# KiCad board Soldered Inkplate 4 TEMPERA with glass panel_panel.kicad_pcb (continued)
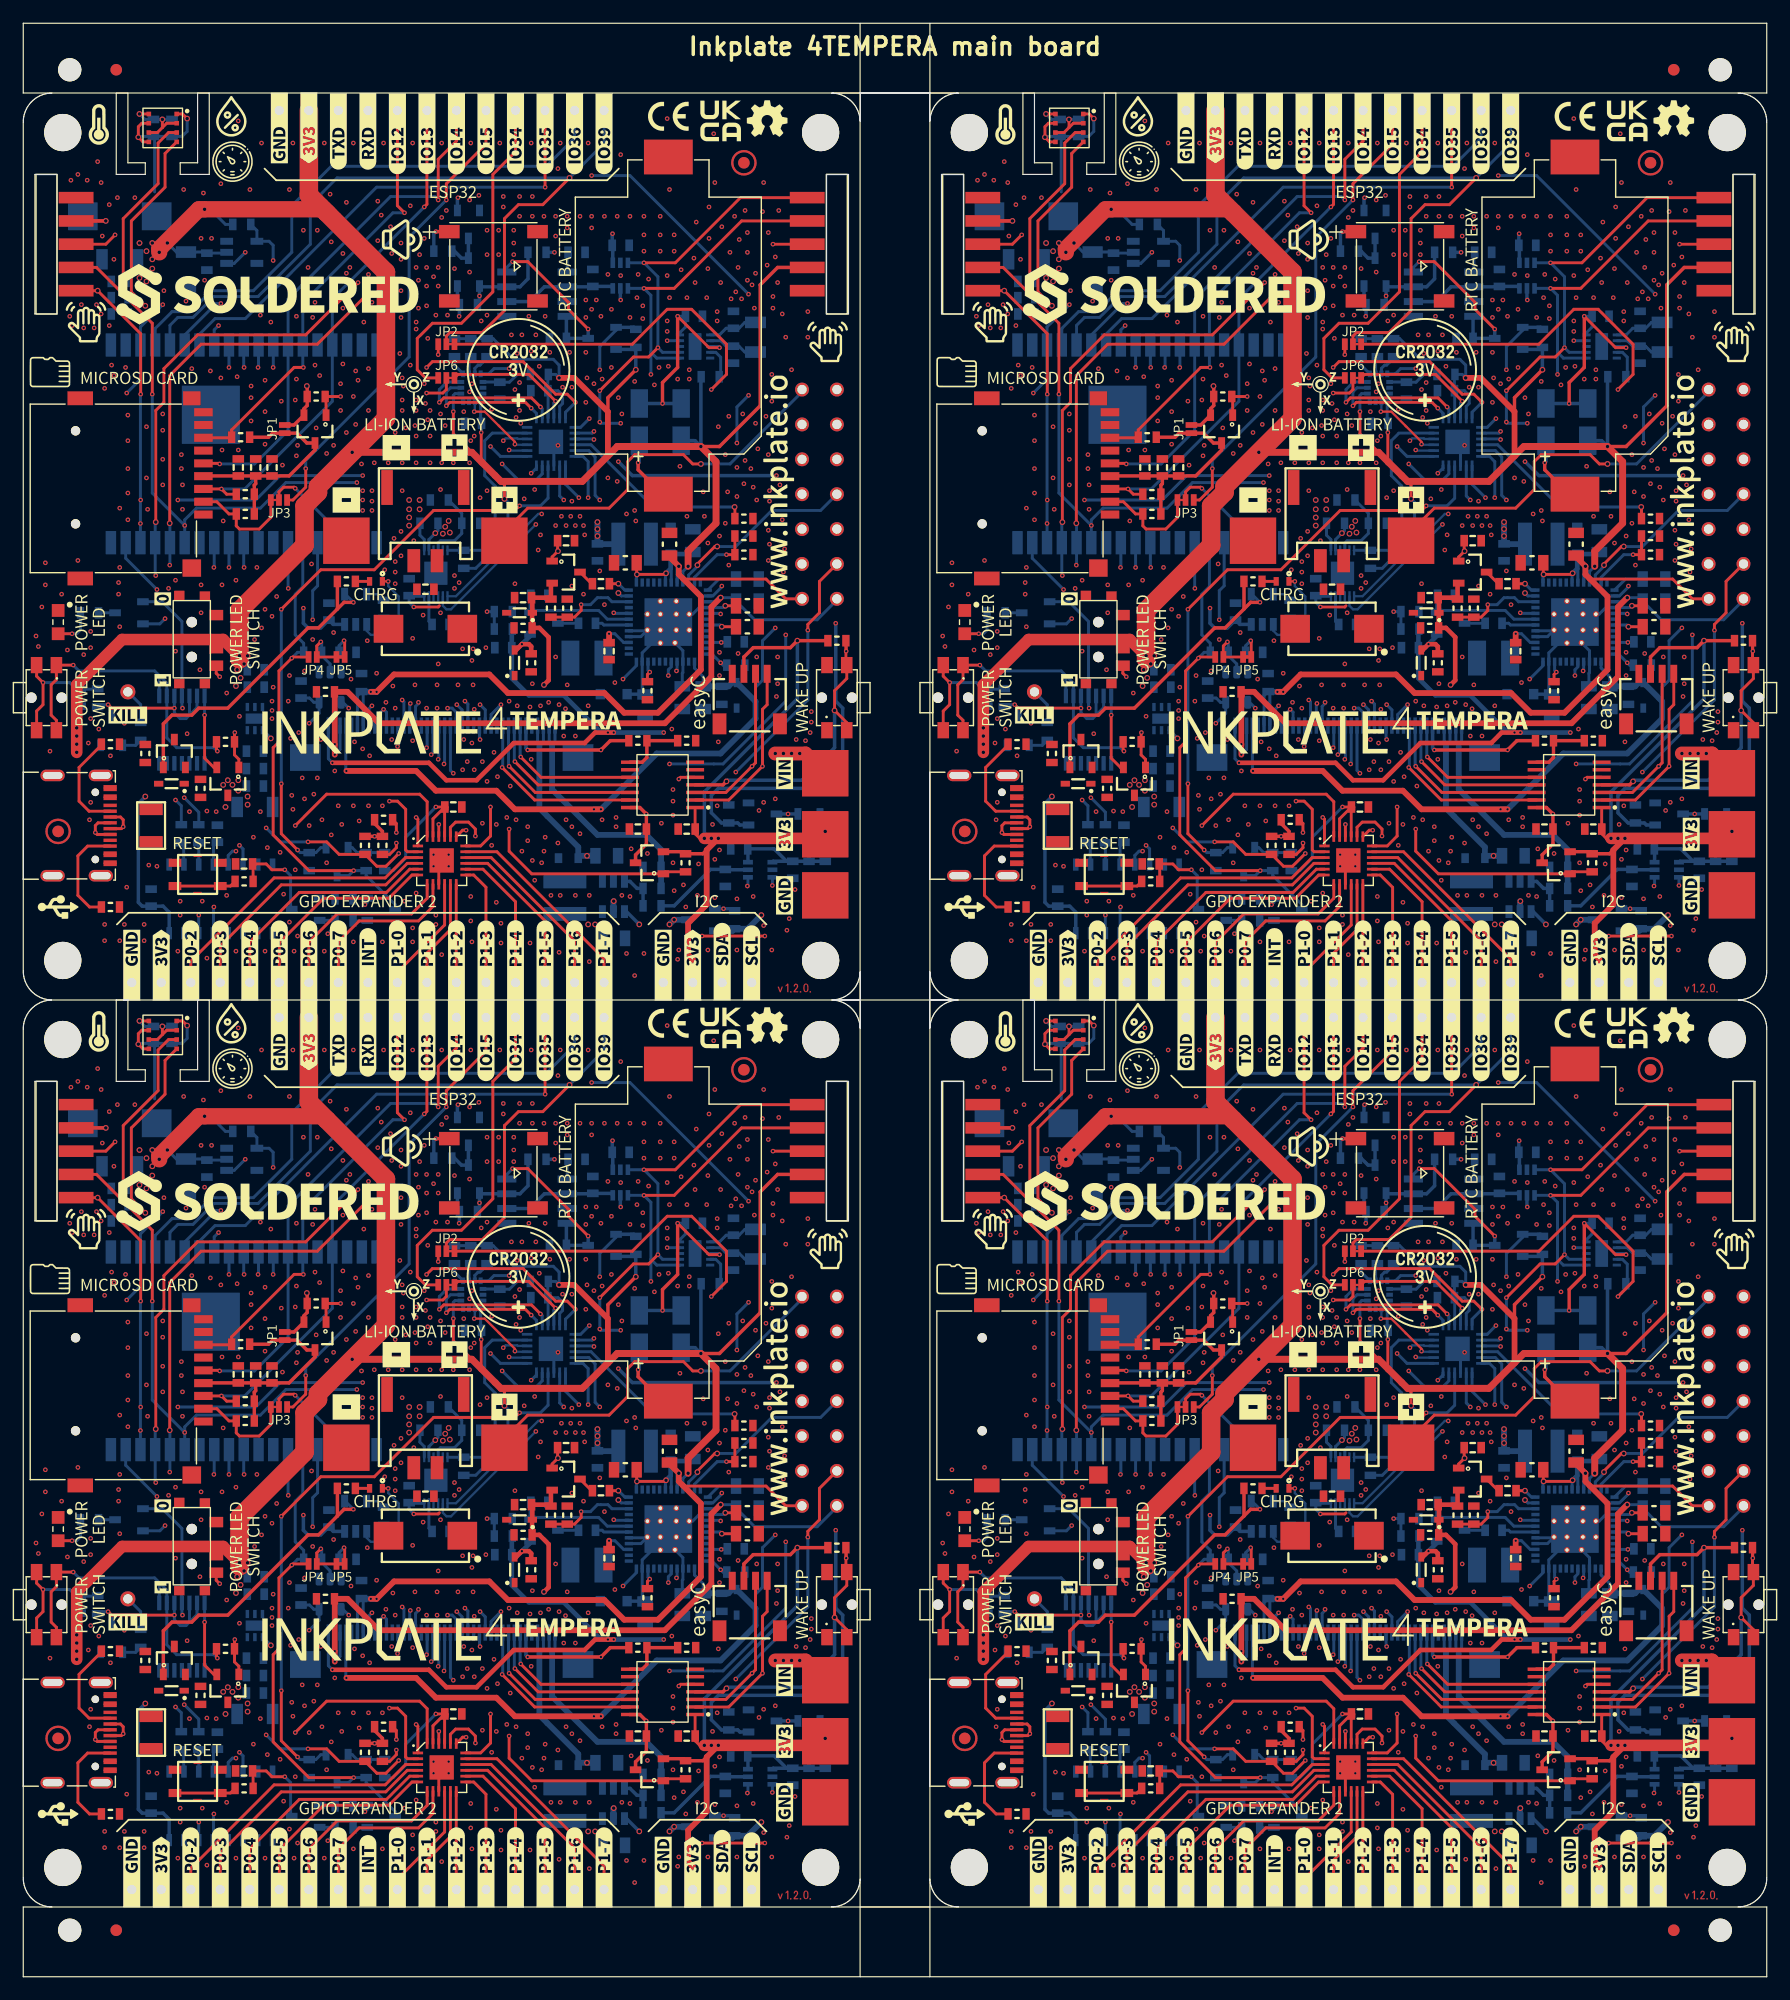
[diagram p0: board, top side]
## Placement (name value [footprint] x y rotation side) (continued)
G***#33  LOGO  [Symbol-Front-USB]  3 92 270 top
G***#34  LOGO  [Symbol-Front-Gesture]  5.4 142.3 0 top
G***#35  LOGO  [Symbol-Front-Temperature]  84.5 81.3 0 top
G***#36  LOGO  [Logo-Front-easyC-NewFont]  136.2 109.6 90 top
G***#37  LOGO  [Symbol-Front-SDcard]  80.3 138 270 top
G***#38  LOGO  [Symbol-Front-Temperature]  84.5 159.3 0 top
G***#39  LOGO  [Symbol-Front-Humidity]  95.9 160 0 top
G***#40  LOGO  [Symbol-Front-Gesture]  5.4 64.3 0 top
G***#41  LOGO  [Symbol-Front-Speaker]  32.6 71.4 0 top
G***#42  LOGO  [Symbol-Front-Gesture]  83.4 142.3 0 top
G***#43  LOGO  [Logo-Back-Soldered-6mm]  55.5 158.3 0 top
G***#44  LOGO  [Symbol-Front-Gesture]  83.4 64.3 0 top
H1  -  [HOLE_3.2mm]  3.4 9.4 0 top
H1#2  -  [HOLE_3.2mm]  81.4 9.4 0 top
H1#3  -  [HOLE_3.2mm]  3.4 87.4 0 top
H1#4  -  [HOLE_3.2mm]  81.4 87.4 0 top
H2  -  [HOLE_3.2mm]  81.4 158.6 0 top
H2#2  -  [HOLE_3.2mm]  3.4 80.6 0 top
H2#3  -  [HOLE_3.2mm]  81.4 80.6 0 top
H2#4  -  [HOLE_3.2mm]  3.4 158.6 0 top
H3  -  [HOLE_3.2mm]  68.6 158.6 0 top
H3#2  -  [HOLE_3.2mm]  68.6 80.6 0 top
H3#3  -  [HOLE_3.2mm]  146.6 80.6 0 top
H3#4  -  [HOLE_3.2mm]  146.6 158.6 0 top
H4  -  [HOLE_3.2mm]  68.6 87.4 0 top
H4#2  -  [HOLE_3.2mm]  68.6 9.4 0 top
H4#3  -  [HOLE_3.2mm]  146.6 87.4 0 top
H4#4  -  [HOLE_3.2mm]  146.6 9.4 0 top
JP1  -  [SMD_JUMPER]  22.5 133.1 90 top
JP1#2  -  [SMD_JUMPER]  100.5 55.1 90 top
JP1#3  -  [SMD_JUMPER]  22.5 55.1 90 top
JP1#4  -  [SMD_JUMPER]  100.5 133.1 90 top
JP2  -  [SMD_JUMPER_3_PAD_CONNECTED_RIGHT_TRACE]  36.4 62.4 0 top
JP2#2  -  [SMD_JUMPER_3_PAD_CONNECTED_RIGHT_TRACE]  114.4 62.4 0 top
JP2#3  -  [SMD_JUMPER_3_PAD_CONNECTED_RIGHT_TRACE]  114.4 140.4 0 top
JP2#4  -  [SMD_JUMPER_3_PAD_CONNECTED_RIGHT_TRACE]  36.4 140.4 0 top
JP3  -  [SMD_JUMPER_3_PAD_CONNECTED_LEFT_TRACE]  100 127 0 top
JP3#2  -  [SMD_JUMPER_3_PAD_CONNECTED_LEFT_TRACE]  22 49 0 top
JP3#3  -  [SMD_JUMPER_3_PAD_CONNECTED_LEFT_TRACE]  22 127 0 top
JP3#4  -  [SMD_JUMPER_3_PAD_CONNECTED_LEFT_TRACE]  100 49 0 top
JP4  -  [SMD_JUMPER]  24.9 113.5 0 top
JP4#2  -  [SMD_JUMPER]  102.9 113.5 0 top
JP4#3  -  [SMD_JUMPER]  24.9 35.5 0 top
JP4#4  -  [SMD_JUMPER]  102.9 35.5 0 top
JP5  -  [SMD-JUMPER-CONNECTED_TRACE_SOLDERMASK]  27.3 35.5 0 top
JP5#2  -  [SMD-JUMPER-CONNECTED_TRACE_SOLDERMASK]  27.3 113.5 0 top
JP5#3  -  [SMD-JUMPER-CONNECTED_TRACE_SOLDERMASK]  105.3 35.5 0 top
JP5#4  -  [SMD-JUMPER-CONNECTED_TRACE_SOLDERMASK]  105.3 113.5 0 top
JP6  -  [SMD_JUMPER_3_PAD_CONNECTED_LEFT_TRACE]  36.4 59.5 180 top
JP6#2  -  [SMD_JUMPER_3_PAD_CONNECTED_LEFT_TRACE]  114.4 137.5 180 top
JP6#3  -  [SMD_JUMPER_3_PAD_CONNECTED_LEFT_TRACE]  36.4 137.5 180 top
JP6#4  -  [SMD_JUMPER_3_PAD_CONNECTED_LEFT_TRACE]  114.4 59.5 180 top
K1  Inkplate_TP  [INKPLATE TEST HEADER]  146.5 49.5 180 top
K1#2  Inkplate_TP  [INKPLATE TEST HEADER]  68.5 127.5 180 top
K1#3  Inkplate_TP  [INKPLATE TEST HEADER]  146.5 127.5 180 top
K1#4  Inkplate_TP  [INKPLATE TEST HEADER]  68.5 49.5 180 top
K2  -  [U262-161N-4BVC11]  3 21 90 top
K2#2  -  [U262-161N-4BVC11]  3 99 90 top
K2#3  -  [U262-161N-4BVC11]  81 99 90 top
K2#4  -  [U262-161N-4BVC11]  81 21 90 top
K3  -  [JST-2pin-SMD]  34.6 46.92 0 top
K3#2  -  [JST-2pin-SMD]  34.6 124.93 0 top
K3#3  -  [JST-2pin-SMD]  112.6 124.93 0 top
K3#4  -  [JST-2pin-SMD]  112.6 46.92 0 top
K4  easyC-SMD  [easyC-connector]  140.5 31.9 180 top
K4#2  easyC-SMD  [easyC-connector]  62.5 31.9 180 top
K4#3  easyC-SMD  [easyC-connector]  62.5 109.9 180 top
K4#4  easyC-SMD  [easyC-connector]  140.5 109.9 180 top
K5  -  [HEADER_MALE_1X1_Inkplate]  57.59 85.5 90 top
K5#2  -  [HEADER_MALE_1X1_Inkplate]  135.59 7.5 90 top
K5#3  -  [HEADER_MALE_1X1_Inkplate]  57.59 7.5 90 top
K5#4  -  [HEADER_MALE_1X1_Inkplate]  135.59 85.5 90 top
K6  -  [HEADER_MALE_1X1_Inkplate]  62.67 85.5 90 top
K6#2  -  [HEADER_MALE_1X1_Inkplate]  140.67 7.5 90 top
K6#3  -  [HEADER_MALE_1X1_Inkplate]  62.67 7.5 90 top
K6#4  -  [HEADER_MALE_1X1_Inkplate]  140.67 85.5 90 top
K7  -  [HEADER_MALE_1X1_Inkplate]  138.13 7.5 90 top
K7#2  -  [HEADER_MALE_1X1_Inkplate]  60.13 85.5 90 top
K7#3  -  [HEADER_MALE_1X1_Inkplate]  138.13 85.5 90 top
K7#4  -  [HEADER_MALE_1X1_Inkplate]  60.13 7.5 90 top
K8  -  [HEADER_MALE_1X1_Inkplate]  133.06 85.5 90 top
K8#2  -  [HEADER_MALE_1X1_Inkplate]  133.06 7.5 90 top
K8#3  -  [HEADER_MALE_1X1_Inkplate]  55.06 7.5 90 top
K8#4  -  [HEADER_MALE_1X1_Inkplate]  55.06 85.5 90 top
K9  -  [HEADER_MALE_1X1_Inkplate]  87 110.5 0 top
K9#2  -  [HEADER_MALE_1X1_Inkplate]  87 32.5 0 top
K9#3  -  [HEADER_MALE_1X1_Inkplate]  9 32.5 0 top
K9#4  -  [HEADER_MALE_1X1_Inkplate]  9 110.5 0 top
K10  -  [HYC77-TF09-200]  88 50 270 top
K10#2  -  [HYC77-TF09-200]  10 128 270 top
K10#3  -  [HYC77-TF09-200]  10 50 270 top
K10#4  -  [HYC77-TF09-200]  88 128 270 top
K11  CR2032_BS-6-1  [CR2032-BS-6-1]  55.5 64 270 top
K11#2  CR2032_BS-6-1  [CR2032-BS-6-1]  133.5 142 270 top
K11#3  CR2032_BS-6-1  [CR2032-BS-6-1]  55.5 142 270 top
K11#4  CR2032_BS-6-1  [CR2032-BS-6-1]  133.5 64 270 top
K12  -  [62684-401100AHLF]  114 106 180 bottom
K12#2  -  [62684-401100AHLF]  36 28 180 bottom
K12#3  -  [62684-401100AHLF]  114 28 180 bottom
K12#4  -  [62684-401100AHLF]  36 106 180 bottom
K13  -  [HEADER_MALE_1X1_Inkplate]  102.57 82.5 0 top
K13#2  -  [HEADER_MALE_1X1_Inkplate]  24.57 82.5 0 top
K13#3  -  [HEADER_MALE_1X1_Inkplate]  24.57 160.5 0 top
K13#4  -  [HEADER_MALE_1X1_Inkplate]  102.57 160.5 0 top
K14  -  [HEADER_MALE_1X1_Inkplate]  22.03 82.5 0 top
K14#2  -  [HEADER_MALE_1X1_Inkplate]  22.03 160.5 0 top
K14#3  -  [HEADER_MALE_1X1_Inkplate]  100.03 160.5 0 top
K14#4  -  [HEADER_MALE_1X1_Inkplate]  100.03 82.5 0 top
K15  -  [HEADER_MALE_1X1_Inkplate]  44.89 82.5 0 top
K15#2  -  [HEADER_MALE_1X1_Inkplate]  44.89 160.5 0 top
K15#3  -  [HEADER_MALE_1X1_Inkplate]  122.89 160.5 0 top
K15#4  -  [HEADER_MALE_1X1_Inkplate]  122.89 82.5 0 top
K16  -  [HEADER_MALE_1X1_Inkplate]  27.11 82.5 0 top
K16#2  -  [HEADER_MALE_1X1_Inkplate]  105.11 82.5 0 top
K16#3  -  [HEADER_MALE_1X1_Inkplate]  105.11 160.5 0 top
K16#4  -  [HEADER_MALE_1X1_Inkplate]  27.11 160.5 0 top
K17  -  [HEADER_MALE_1X1_Inkplate]  120.35 160.5 0 top
K17#2  -  [HEADER_MALE_1X1_Inkplate]  42.35 160.5 0 top
K17#3  -  [HEADER_MALE_1X1_Inkplate]  120.35 82.5 0 top
K17#4  -  [HEADER_MALE_1X1_Inkplate]  42.35 82.5 0 top
K18  -  [HEADER_MALE_1X1_Inkplate]  29.65 82.5 0 top
K18#2  -  [HEADER_MALE_1X1_Inkplate]  29.65 160.5 0 top
K18#3  -  [HEADER_MALE_1X1_Inkplate]  107.65 82.5 0 top
K18#4  -  [HEADER_MALE_1X1_Inkplate]  107.65 160.5 0 top
K19  -  [HEADER_MALE_1X1_Inkplate]  37.27 82.5 0 top
K19#2  -  [HEADER_MALE_1X1_Inkplate]  115.27 82.5 0 top
K19#3  -  [HEADER_MALE_1X1_Inkplate]  37.27 160.5 0 top
K19#4  -  [HEADER_MALE_1X1_Inkplate]  115.27 160.5 0 top
K20  -  [HEADER_MALE_1X1_Inkplate]  110.19 160.5 0 top
K20#2  -  [HEADER_MALE_1X1_Inkplate]  32.19 160.5 0 top
K20#3  -  [HEADER_MALE_1X1_Inkplate]  110.19 82.5 0 top
K20#4  -  [HEADER_MALE_1X1_Inkplate]  32.19 82.5 0 top
K21  -  [HEADER_MALE_1X1_Inkplate]  34.73 82.5 0 top
K21#2  -  [HEADER_MALE_1X1_Inkplate]  112.73 82.5 0 top
K21#3  -  [HEADER_MALE_1X1_Inkplate]  112.73 160.5 0 top
K21#4  -  [HEADER_MALE_1X1_Inkplate]  34.73 160.5 0 top
K22  -  [HEADER_MALE_1X1_Inkplate]  89.87 85.5 0 top
K22#2  -  [HEADER_MALE_1X1_Inkplate]  11.87 85.5 0 top
K22#3  -  [HEADER_MALE_1X1_Inkplate]  89.87 7.5 0 top
K22#4  -  [HEADER_MALE_1X1_Inkplate]  11.87 7.5 0 top
K23  -  [HEADER_MALE_1X1_Inkplate]  87.33 7.5 0 top
K23#2  -  [HEADER_MALE_1X1_Inkplate]  9.33 7.5 0 top
K23#3  -  [HEADER_MALE_1X1_Inkplate]  9.33 85.5 0 top
K23#4  -  [HEADER_MALE_1X1_Inkplate]  87.33 85.5 0 top
K24  -  [HEADER_MALE_1X1_Inkplate]  127.97 160.5 0 top
K24#2  -  [HEADER_MALE_1X1_Inkplate]  49.97 160.5 0 top
K24#3  -  [HEADER_MALE_1X1_Inkplate]  49.97 82.5 0 top
K24#4  -  [HEADER_MALE_1X1_Inkplate]  127.97 82.5 0 top
K25  -  [HEADER_MALE_1X1_Inkplate]  47.43 82.5 0 top
K25#2  -  [HEADER_MALE_1X1_Inkplate]  125.43 82.5 0 top
K25#3  -  [HEADER_MALE_1X1_Inkplate]  47.43 160.5 0 top
K25#4  -  [HEADER_MALE_1X1_Inkplate]  125.43 160.5 0 top
K26  -  [HEADER_MALE_1X1_Inkplate]  92.41 85.5 0 top
K26#2  -  [HEADER_MALE_1X1_Inkplate]  14.41 85.5 0 top
K26#3  -  [HEADER_MALE_1X1_Inkplate]  92.41 7.5 0 top
K26#4  -  [HEADER_MALE_1X1_Inkplate]  14.41 7.5 0 top
K27  -  [HEADER_MALE_1X1_Inkplate]  94.95 7.5 0 top
K27#2  -  [HEADER_MALE_1X1_Inkplate]  16.95 85.5 0 top
K27#3  -  [HEADER_MALE_1X1_Inkplate]  16.95 7.5 0 top
K27#4  -  [HEADER_MALE_1X1_Inkplate]  94.95 85.5 0 top
K28  -  [HEADER_MALE_1X1_Inkplate]  97.49 7.5 0 top
K28#2  -  [HEADER_MALE_1X1_Inkplate]  97.49 85.5 0 top
K28#3  -  [HEADER_MALE_1X1_Inkplate]  19.49 7.5 0 top
K28#4  -  [HEADER_MALE_1X1_Inkplate]  19.49 85.5 0 top
K29  -  [HEADER_MALE_1X1_Inkplate]  22.03 85.5 0 top
K29#2  -  [HEADER_MALE_1X1_Inkplate]  22.03 7.5 0 top
K29#3  -  [HEADER_MALE_1X1_Inkplate]  100.03 7.5 0 top
K29#4  -  [HEADER_MALE_1X1_Inkplate]  100.03 85.5 0 top
K30  -  [HEADER_MALE_1X1_Inkplate]  102.57 7.5 0 top
K30#2  -  [HEADER_MALE_1X1_Inkplate]  24.57 85.5 0 top
K30#3  -  [HEADER_MALE_1X1_Inkplate]  24.57 7.5 0 top
K30#4  -  [HEADER_MALE_1X1_Inkplate]  102.57 85.5 0 top
K31  -  [HEADER_MALE_1X1_Inkplate]  105.11 85.5 0 top
K31#2  -  [HEADER_MALE_1X1_Inkplate]  27.11 7.5 0 top
K31#3  -  [HEADER_MALE_1X1_Inkplate]  27.11 85.5 0 top
K31#4  -  [HEADER_MALE_1X1_Inkplate]  105.11 7.5 0 top
K32  -  [HEADER_MALE_1X1_Inkplate]  39.81 82.5 0 top
K32#2  -  [HEADER_MALE_1X1_Inkplate]  117.81 82.5 0 top
K32#3  -  [HEADER_MALE_1X1_Inkplate]  39.81 160.5 0 top
K32#4  -  [HEADER_MALE_1X1_Inkplate]  117.81 160.5 0 top
K33  -  [HEADER_MALE_1X1_Inkplate]  32.19 7.5 0 top
K33#2  -  [HEADER_MALE_1X1_Inkplate]  110.19 7.5 0 top
K33#3  -  [HEADER_MALE_1X1_Inkplate]  110.19 85.5 0 top
K33#4  -  [HEADER_MALE_1X1_Inkplate]  32.19 85.5 0 top
K34  -  [HEADER_MALE_1X1_Inkplate]  34.73 85.5 0 top
K34#2  -  [HEADER_MALE_1X1_Inkplate]  112.73 85.5 0 top
K34#3  -  [HEADER_MALE_1X1_Inkplate]  112.73 7.5 0 top
K34#4  -  [HEADER_MALE_1X1_Inkplate]  34.73 7.5 0 top
K35  -  [HEADER_MALE_1X1_Inkplate]  115.27 85.5 0 top
K35#2  -  [HEADER_MALE_1X1_Inkplate]  37.27 7.5 0 top
K35#3  -  [HEADER_MALE_1X1_Inkplate]  37.27 85.5 0 top
K35#4  -  [HEADER_MALE_1X1_Inkplate]  115.27 7.5 0 top
K36  -  [HEADER_MALE_1X1_Inkplate]  39.81 85.5 0 top
K36#2  -  [HEADER_MALE_1X1_Inkplate]  117.81 7.5 0 top
K36#3  -  [HEADER_MALE_1X1_Inkplate]  117.81 85.5 0 top
K36#4  -  [HEADER_MALE_1X1_Inkplate]  39.81 7.5 0 top
K37  -  [HEADER_MALE_1X1_Inkplate]  42.35 7.5 0 top
K37#2  -  [HEADER_MALE_1X1_Inkplate]  120.35 7.5 0 top
K37#3  -  [HEADER_MALE_1X1_Inkplate]  42.35 85.5 0 top
K37#4  -  [HEADER_MALE_1X1_Inkplate]  120.35 85.5 0 top
K38  -  [HEADER_MALE_1X1_Inkplate]  122.89 7.5 0 top
K38#2  -  [HEADER_MALE_1X1_Inkplate]  122.89 85.5 0 top
K38#3  -  [HEADER_MALE_1X1_Inkplate]  44.89 85.5 0 top
K38#4  -  [HEADER_MALE_1X1_Inkplate]  44.89 7.5 0 top
K39  -  [HEADER_MALE_1X1_Inkplate]  47.43 7.5 0 top
K39#2  -  [HEADER_MALE_1X1_Inkplate]  125.43 7.5 0 top
K39#3  -  [HEADER_MALE_1X1_Inkplate]  125.43 85.5 0 top
K39#4  -  [HEADER_MALE_1X1_Inkplate]  47.43 85.5 0 top
K40  -  [HEADER_MALE_1X1_Inkplate]  127.97 7.5 0 top
K40#2  -  [HEADER_MALE_1X1_Inkplate]  49.97 7.5 0 top
K40#3  -  [HEADER_MALE_1X1_Inkplate]  49.97 85.5 0 top
K40#4  -  [HEADER_MALE_1X1_Inkplate]  127.97 85.5 0 top
K41  -  [HEADER_MALE_1X1_Inkplate]  107.65 85.5 0 top
K41#2  -  [HEADER_MALE_1X1_Inkplate]  107.65 7.5 0 top
K41#3  -  [HEADER_MALE_1X1_Inkplate]  29.65 85.5 0 top
K41#4  -  [HEADER_MALE_1X1_Inkplate]  29.65 7.5 0 top
K42  -  [APDS_connector]  80 71 180 top
K42#2  -  [APDS_connector]  80 149 180 top
K42#3  -  [APDS_connector]  2 149 180 top
K42#4  -  [APDS_connector]  2 71 180 top
K43  -  [APDS_connector]  70 71 0 top
K43#2  -  [APDS_connector]  148 71 0 top
K43#3  -  [APDS_connector]  70 149 0 top
K43#4  -  [APDS_connector]  148 149 0 top
kibuzzard-64512AB1  G***  [kibuzzard-64512AB1]  3 115 180 bottom
kibuzzard-64512AB1#2  G***  [kibuzzard-64512AB1]  81 37 180 bottom
kibuzzard-64512AB1#3  G***  [kibuzzard-64512AB1]  3 37 180 bottom
kibuzzard-64512AB1#4  G***  [kibuzzard-64512AB1]  81 115 180 bottom
kibuzzard-64512B49  G***  [kibuzzard-64512B49]  10 59.5 0 top
kibuzzard-64512B49#2  G***  [kibuzzard-64512B49]  88 59.5 0 top
kibuzzard-64512B49#3  G***  [kibuzzard-64512B49]  88 137.5 0 top
kibuzzard-64512B49#4  G***  [kibuzzard-64512B49]  10 137.5 0 top
kibuzzard-64512B72  G***  [kibuzzard-64512B72]  112.6 55.5 0 top
kibuzzard-64512B72#2  G***  [kibuzzard-64512B72]  34.6 55.5 0 top
kibuzzard-64512B72#3  G***  [kibuzzard-64512B72]  112.6 133.5 0 top
kibuzzard-64512B72#4  G***  [kibuzzard-64512B72]  34.6 133.5 0 top
kibuzzard-64512C11  G***  [kibuzzard-64512C11]  115.1 131.5 0 top
kibuzzard-64512C11#2  G***  [kibuzzard-64512C11]  119.4 49 0 top
kibuzzard-64512C11#3  G***  [kibuzzard-64512C11]  41.4 127 0 top
kibuzzard-64512C11#4  G***  [kibuzzard-64512C11]  37.1 131.5 0 top
kibuzzard-64512C11#5  G***  [kibuzzard-64512C11]  41.4 49 0 top
kibuzzard-64512C11#6  G***  [kibuzzard-64512C11]  119.4 127 0 top
kibuzzard-64512C11#7  G***  [kibuzzard-64512C11]  37.1 53.5 0 top
kibuzzard-64512C11#8  G***  [kibuzzard-64512C11]  115.1 53.5 0 top
kibuzzard-64512D1C  G***  [kibuzzard-64512D1C]  32.1 53.5 0 top
kibuzzard-64512D1C#2  G***  [kibuzzard-64512D1C]  110.1 131.5 0 top
kibuzzard-64512D1C#3  G***  [kibuzzard-64512D1C]  110.1 53.5 0 top
kibuzzard-64512D1C#4  G***  [kibuzzard-64512D1C]  32.1 131.5 0 top
kibuzzard-64512D4A  G***  [kibuzzard-64512D4A]  105.8 49 0 top
kibuzzard-64512D4A#2  G***  [kibuzzard-64512D4A]  105.8 127 0 top
kibuzzard-64512D4A#3  G***  [kibuzzard-64512D4A]  27.8 127 0 top
kibuzzard-64512D4A#4  G***  [kibuzzard-64512D4A]  27.8 49 0 top
kibuzzard-64520B3A  G***  [kibuzzard-64520B3A]  99.4 55.1 90 top
kibuzzard-64520B3A#2  G***  [kibuzzard-64520B3A]  21.4 133.1 90 top
kibuzzard-64520B3A#3  G***  [kibuzzard-64520B3A]  21.4 55.1 90 top
kibuzzard-64520B3A#4  G***  [kibuzzard-64520B3A]  99.4 133.1 90 top
kibuzzard-64520C0D  G***  [kibuzzard-64520C0D]  100 47.9 0 top
kibuzzard-64520C0D#2  G***  [kibuzzard-64520C0D]  22 47.9 0 top
kibuzzard-64520C0D#3  G***  [kibuzzard-64520C0D]  100 125.9 0 top
kibuzzard-64520C0D#4  G***  [kibuzzard-64520C0D]  22 125.9 0 top
kibuzzard-64520C04  G***  [kibuzzard-64520C04]  114.4 63.5 0 top
kibuzzard-64520C04#2  G***  [kibuzzard-64520C04]  114.4 141.5 0 top
kibuzzard-64520C04#3  G***  [kibuzzard-64520C04]  36.4 63.5 0 top
kibuzzard-64520C04#4  G***  [kibuzzard-64520C04]  36.4 141.5 0 top
kibuzzard-64520C4C  G***  [kibuzzard-64520C4C]  36.4 138.6 0 top
kibuzzard-64520C4C#2  G***  [kibuzzard-64520C4C]  114.4 138.6 0 top
kibuzzard-64520C4C#3  G***  [kibuzzard-64520C4C]  114.4 60.6 0 top
kibuzzard-64520C4C#4  G***  [kibuzzard-64520C4C]  36.4 60.6 0 top
kibuzzard-64520C12  G***  [kibuzzard-64520C12]  102.9 34.4 0 top
kibuzzard-64520C12#2  G***  [kibuzzard-64520C12]  102.9 112.4 0 top
kibuzzard-64520C12#3  G***  [kibuzzard-64520C12]  24.9 34.4 0 top
kibuzzard-64520C12#4  G***  [kibuzzard-64520C12]  24.9 112.4 0 top
kibuzzard-64520C17  G***  [kibuzzard-64520C17]  27.3 112.4 0 top
kibuzzard-64520C17#2  G***  [kibuzzard-64520C17]  105.3 34.4 0 top
kibuzzard-64520C17#3  G***  [kibuzzard-64520C17]  27.3 34.4 0 top
kibuzzard-64520C17#4  G***  [kibuzzard-64520C17]  105.3 112.4 0 top
kibuzzard-645123A1  G***  [kibuzzard-645123A1]  27.11 87.4 90 top
kibuzzard-645123A1#2  G***  [kibuzzard-645123A1]  105.11 87.4 90 top
kibuzzard-645123A1#3  G***  [kibuzzard-645123A1]  105.11 9.4 90 top
kibuzzard-645123A1#4  G***  [kibuzzard-645123A1]  27.11 9.4 90 top
kibuzzard-645123AC  G***  [kibuzzard-645123AC]  110.19 9.4 90 top
kibuzzard-645123AC#2  G***  [kibuzzard-645123AC]  32.19 87.4 90 top
kibuzzard-645123AC#3  G***  [kibuzzard-645123AC]  32.19 9.4 90 top
kibuzzard-645123AC#4  G***  [kibuzzard-645123AC]  110.19 87.4 90 top
kibuzzard-645123B6  G***  [kibuzzard-645123B6]  34.73 9.4 90 top
kibuzzard-645123B6#2  G***  [kibuzzard-645123B6]  112.73 87.4 90 top
kibuzzard-645123B6#3  G***  [kibuzzard-645123B6]  34.73 87.4 90 top
kibuzzard-645123B6#4  G***  [kibuzzard-645123B6]  112.73 9.4 90 top
kibuzzard-645123BC  G***  [kibuzzard-645123BC]  37.27 9.4 90 top
kibuzzard-645123BC#2  G***  [kibuzzard-645123BC]  115.27 87.4 90 top
kibuzzard-645123BC#3  G***  [kibuzzard-645123BC]  115.27 9.4 90 top
kibuzzard-645123BC#4  G***  [kibuzzard-645123BC]  37.27 87.4 90 top
kibuzzard-645123C5  G***  [kibuzzard-645123C5]  117.81 9.4 90 top
kibuzzard-645123C5#2  G***  [kibuzzard-645123C5]  39.81 9.4 90 top
kibuzzard-645123C5#3  G***  [kibuzzard-645123C5]  117.81 87.4 90 top
kibuzzard-645123C5#4  G***  [kibuzzard-645123C5]  39.81 87.4 90 top
kibuzzard-645123CE  G***  [kibuzzard-645123CE]  120.35 87.4 90 top
kibuzzard-645123CE#2  G***  [kibuzzard-645123CE]  42.35 87.4 90 top
kibuzzard-645123CE#3  G***  [kibuzzard-645123CE]  120.35 9.4 90 top
kibuzzard-645123CE#4  G***  [kibuzzard-645123CE]  42.35 9.4 90 top
kibuzzard-645123D4  G***  [kibuzzard-645123D4]  44.89 9.4 90 top
kibuzzard-645123D4#2  G***  [kibuzzard-645123D4]  44.89 87.4 90 top
kibuzzard-645123D4#3  G***  [kibuzzard-645123D4]  122.89 9.4 90 top
kibuzzard-645123D4#4  G***  [kibuzzard-645123D4]  122.89 87.4 90 top
kibuzzard-645123DC  G***  [kibuzzard-645123DC]  47.43 87.4 90 top
kibuzzard-645123DC#2  G***  [kibuzzard-645123DC]  125.43 9.4 90 top
kibuzzard-645123DC#3  G***  [kibuzzard-645123DC]  125.43 87.4 90 top
kibuzzard-645123DC#4  G***  [kibuzzard-645123DC]  47.43 9.4 90 top
kibuzzard-645123EA  G***  [kibuzzard-645123EA]  127.97 9.4 90 top
kibuzzard-645123EA#2  G***  [kibuzzard-645123EA]  49.97 87.4 90 top
kibuzzard-645123EA#3  G***  [kibuzzard-645123EA]  49.97 9.4 90 top
kibuzzard-645123EA#4  G***  [kibuzzard-645123EA]  127.97 87.4 90 top
kibuzzard-645124AF  G***  [kibuzzard-645124AF]  138.13 87.3 90 top
kibuzzard-645124AF#2  G***  [kibuzzard-645124AF]  60.13 87.3 90 top
kibuzzard-645124AF#3  G***  [kibuzzard-645124AF]  138.13 9.3 90 top
kibuzzard-645124AF#4  G***  [kibuzzard-645124AF]  60.13 9.3 90 top
kibuzzard-645124B9  G***  [kibuzzard-645124B9]  140.67 9.2 90 top
kibuzzard-645124B9#2  G***  [kibuzzard-645124B9]  62.67 9.2 90 top
kibuzzard-645124B9#3  G***  [kibuzzard-645124B9]  62.67 87.2 90 top
kibuzzard-645124B9#4  G***  [kibuzzard-645124B9]  140.67 87.2 90 top
kibuzzard-645127A4  G***  [kibuzzard-645127A4]  49.97 158.5 90 top
kibuzzard-645127A4#2  G***  [kibuzzard-645127A4]  127.97 80.5 90 top
kibuzzard-645127A4#3  G***  [kibuzzard-645127A4]  49.97 80.5 90 top
kibuzzard-645127A4#4  G***  [kibuzzard-645127A4]  127.97 158.5 90 top
kibuzzard-645128FD  G***  [kibuzzard-645128FD]  87 108.5 0 top
kibuzzard-645128FD#2  G***  [kibuzzard-645128FD]  9 108.5 0 top
kibuzzard-645128FD#3  G***  [kibuzzard-645128FD]  87 30.5 0 top
kibuzzard-645128FD#4  G***  [kibuzzard-645128FD]  9 30.5 0 top
kibuzzard-645131B8  G***  [kibuzzard-645131B8]  18.3 37 90 top
kibuzzard-645131B8#2  G***  [kibuzzard-645131B8]  18.3 115 90 top
kibuzzard-645131B8#3  G***  [kibuzzard-645131B8]  96.3 37 90 top
kibuzzard-645131B8#4  G***  [kibuzzard-645131B8]  96.3 115 90 top
kibuzzard-645131C7  G***  [kibuzzard-645131C7]  97.8 115 90 top
kibuzzard-645131C7#2  G***  [kibuzzard-645131C7]  97.8 37 90 top
kibuzzard-645131C7#3  G***  [kibuzzard-645131C7]  19.8 37 90 top
kibuzzard-645131C7#4  G***  [kibuzzard-645131C7]  19.8 115 90 top
kibuzzard-645131F6  G***  [kibuzzard-645131F6]  12 40.5 90 top
kibuzzard-645131F6#2  G***  [kibuzzard-645131F6]  90 118.5 90 top
kibuzzard-645131F6#3  G***  [kibuzzard-645131F6]  12 118.5 90 top
kibuzzard-645131F6#4  G***  [kibuzzard-645131F6]  90 40.5 90 top
kibuzzard-6451239C  G***  [kibuzzard-6451239C]  24.57 9.4 90 top
kibuzzard-6451239C#2  G***  [kibuzzard-6451239C]  102.57 87.4 90 top
kibuzzard-6451239C#3  G***  [kibuzzard-6451239C]  102.57 9.4 90 top
kibuzzard-6451239C#4  G***  [kibuzzard-6451239C]  24.57 87.4 90 top
kibuzzard-6451240C  G***  [kibuzzard-6451240C]  107.65 9.1 90 top
kibuzzard-6451240C#2  G***  [kibuzzard-6451240C]  29.65 87.1 90 top
kibuzzard-6451240C#3  G***  [kibuzzard-6451240C]  107.65 87.1 90 top
kibuzzard-6451240C#4  G***  [kibuzzard-6451240C]  29.65 9.1 90 top
kibuzzard-6451271A  G***  [kibuzzard-6451271A]  102.57 81 90 top
kibuzzard-6451271A#2  G***  [kibuzzard-6451271A]  24.57 159 90 top
kibuzzard-6451271A#3  G***  [kibuzzard-6451271A]  24.57 81 90 top
kibuzzard-6451271A#4  G***  [kibuzzard-6451271A]  102.57 159 90 top
kibuzzard-6451277D  G***  [kibuzzard-6451277D]  39.81 158.5 90 top
kibuzzard-6451277D#2  G***  [kibuzzard-6451277D]  117.81 158.5 90 top
kibuzzard-6451277D#3  G***  [kibuzzard-6451277D]  117.81 80.5 90 top
kibuzzard-6451277D#4  G***  [kibuzzard-6451277D]  39.81 80.5 90 top
kibuzzard-6451279E  G***  [kibuzzard-6451279E]  125.43 158.5 90 top
kibuzzard-6451279E#2  G***  [kibuzzard-6451279E]  125.43 80.5 90 top
kibuzzard-6451279E#3  G***  [kibuzzard-6451279E]  47.43 80.5 90 top
kibuzzard-6451279E#4  G***  [kibuzzard-6451279E]  47.43 158.5 90 top
kibuzzard-6451295E  G***  [kibuzzard-6451295E]  83 116.5 90 top
kibuzzard-6451295E#2  G***  [kibuzzard-6451295E]  5 116.5 90 top
kibuzzard-6451295E#3  G***  [kibuzzard-6451295E]  83 38.5 90 top
kibuzzard-6451295E#4  G***  [kibuzzard-6451295E]  5 38.5 90 top
kibuzzard-6451296B  G***  [kibuzzard-6451296B]  84.5 38.5 90 top
kibuzzard-6451296B#2  G***  [kibuzzard-6451296B]  6.5 38.5 90 top
kibuzzard-6451296B#3  G***  [kibuzzard-6451296B]  6.5 116.5 90 top
kibuzzard-6451296B#4  G***  [kibuzzard-6451296B]  84.5 116.5 90 top
kibuzzard-6451340C  G***  [kibuzzard-6451340C]  30.3 118.9 0 top
kibuzzard-6451340C#2  G***  [kibuzzard-6451340C]  108.3 118.9 0 top
kibuzzard-6451340C#3  G***  [kibuzzard-6451340C]  108.3 40.9 0 top
kibuzzard-6451340C#4  G***  [kibuzzard-6451340C]  30.3 40.9 0 top
kibuzzard-6451362A  G***  [kibuzzard-6451362A]  65.5 15 90 top
kibuzzard-6451362A#2  G***  [kibuzzard-6451362A]  65.5 93 90 top
kibuzzard-6451362A#3  G***  [kibuzzard-6451362A]  143.5 93 90 top
kibuzzard-6451362A#4  G***  [kibuzzard-6451362A]  143.5 15 90 top
kibuzzard-6452051E  G***  [kibuzzard-6452051E]  136.86 92.5 0 top
kibuzzard-6452051E#2  G***  [kibuzzard-6452051E]  58.86 92.5 0 top
kibuzzard-6452051E#3  G***  [kibuzzard-6452051E]  58.86 14.5 0 top
kibuzzard-6452051E#4  G***  [kibuzzard-6452051E]  136.86 14.5 0 top
kibuzzard-6452052E  G***  [kibuzzard-6452052E]  37 153.5 0 top
kibuzzard-6452052E#2  G***  [kibuzzard-6452052E]  115 153.5 0 top
kibuzzard-6452052E#3  G***  [kibuzzard-6452052E]  115 75.5 0 top
kibuzzard-6452052E#4  G***  [kibuzzard-6452052E]  37 75.5 0 top
kibuzzard-6452053F  G***  [kibuzzard-6452053F]  29.65 14.5 0 top
kibuzzard-6452053F#2  G***  [kibuzzard-6452053F]  29.65 92.5 0 top
kibuzzard-6452053F#3  G***  [kibuzzard-6452053F]  107.65 14.5 0 top
kibuzzard-6452053F#4  G***  [kibuzzard-6452053F]  107.65 92.5 0 top
kibuzzard-64512320  G***  [kibuzzard-64512320]  55.06 87 90 top
kibuzzard-64512320#2  G***  [kibuzzard-64512320]  9.33 9 90 top
kibuzzard-64512320#3  G***  [kibuzzard-64512320]  87.33 9 90 top
kibuzzard-64512320#4  G***  [kibuzzard-64512320]  55.06 9 90 top
kibuzzard-64512320#5  G***  [kibuzzard-64512320]  9.33 87 90 top
kibuzzard-64512320#6  G***  [kibuzzard-64512320]  133.06 9 90 top
kibuzzard-64512320#7  G***  [kibuzzard-64512320]  87.33 87 90 top
kibuzzard-64512320#8  G***  [kibuzzard-64512320]  133.06 87 90 top
kibuzzard-64512330  G***  [kibuzzard-64512330]  135.59 9 90 top
kibuzzard-64512330#2  G***  [kibuzzard-64512330]  89.87 87 90 top
kibuzzard-64512330#3  G***  [kibuzzard-64512330]  57.59 9 90 top
kibuzzard-64512330#4  G***  [kibuzzard-64512330]  135.59 87 90 top
kibuzzard-64512330#5  G***  [kibuzzard-64512330]  11.87 9 90 top
kibuzzard-64512330#6  G***  [kibuzzard-64512330]  57.59 87 90 top
kibuzzard-64512330#7  G***  [kibuzzard-64512330]  11.87 87 90 top
kibuzzard-64512330#8  G***  [kibuzzard-64512330]  89.87 9 90 top
kibuzzard-64512363  G***  [kibuzzard-64512363]  92.41 9.4 90 top
kibuzzard-64512363#2  G***  [kibuzzard-64512363]  92.41 87.4 90 top
kibuzzard-64512363#3  G***  [kibuzzard-64512363]  14.41 87.4 90 top
kibuzzard-64512363#4  G***  [kibuzzard-64512363]  14.41 9.4 90 top
kibuzzard-64512372  G***  [kibuzzard-64512372]  94.95 9.4 90 top
kibuzzard-64512372#2  G***  [kibuzzard-64512372]  16.95 87.4 90 top
kibuzzard-64512372#3  G***  [kibuzzard-64512372]  94.95 87.4 90 top
kibuzzard-64512372#4  G***  [kibuzzard-64512372]  16.95 9.4 90 top
kibuzzard-64512390  G***  [kibuzzard-64512390]  19.49 87.4 90 top
kibuzzard-64512390#2  G***  [kibuzzard-64512390]  97.49 87.4 90 top
kibuzzard-64512390#3  G***  [kibuzzard-64512390]  97.49 9.4 90 top
kibuzzard-64512390#4  G***  [kibuzzard-64512390]  19.49 9.4 90 top
kibuzzard-64512397  G***  [kibuzzard-64512397]  100.03 87.4 90 top
kibuzzard-64512397#2  G***  [kibuzzard-64512397]  22.03 9.4 90 top
kibuzzard-64512397#3  G***  [kibuzzard-64512397]  22.03 87.4 90 top
kibuzzard-64512397#4  G***  [kibuzzard-64512397]  100.03 9.4 90 top
kibuzzard-64512700  G***  [kibuzzard-64512700]  22.03 81 90 top
kibuzzard-64512700#2  G***  [kibuzzard-64512700]  100.03 81 90 top
kibuzzard-64512700#3  G***  [kibuzzard-64512700]  100.03 159 90 top
kibuzzard-64512700#4  G***  [kibuzzard-64512700]  22.03 159 90 top
kibuzzard-64512737  G***  [kibuzzard-64512737]  105.11 158.7 90 top
kibuzzard-64512737#2  G***  [kibuzzard-64512737]  27.11 80.7 90 top
kibuzzard-64512737#3  G***  [kibuzzard-64512737]  105.11 80.7 90 top
kibuzzard-64512737#4  G***  [kibuzzard-64512737]  27.11 158.7 90 top
kibuzzard-64512746  G***  [kibuzzard-64512746]  107.65 158.7 90 top
kibuzzard-64512746#2  G***  [kibuzzard-64512746]  107.65 80.7 90 top
kibuzzard-64512746#3  G***  [kibuzzard-64512746]  29.65 158.7 90 top
kibuzzard-64512746#4  G***  [kibuzzard-64512746]  29.65 80.7 90 top
kibuzzard-64512759  G***  [kibuzzard-64512759]  110.19 158.5 90 top
kibuzzard-64512759#2  G***  [kibuzzard-64512759]  110.19 80.5 90 top
kibuzzard-64512759#3  G***  [kibuzzard-64512759]  32.19 80.5 90 top
kibuzzard-64512759#4  G***  [kibuzzard-64512759]  32.19 158.5 90 top
kibuzzard-64512767  G***  [kibuzzard-64512767]  34.73 80.5 90 top
kibuzzard-64512767#2  G***  [kibuzzard-64512767]  112.73 158.5 90 top
kibuzzard-64512767#3  G***  [kibuzzard-64512767]  112.73 80.5 90 top
kibuzzard-64512767#4  G***  [kibuzzard-64512767]  34.73 158.5 90 top
kibuzzard-64512774  G***  [kibuzzard-64512774]  37.27 158.5 90 top
kibuzzard-64512774#2  G***  [kibuzzard-64512774]  115.27 80.5 90 top
kibuzzard-64512774#3  G***  [kibuzzard-64512774]  37.27 80.5 90 top
kibuzzard-64512774#4  G***  [kibuzzard-64512774]  115.27 158.5 90 top
kibuzzard-64512789  G***  [kibuzzard-64512789]  42.35 80.5 90 top
kibuzzard-64512789#2  G***  [kibuzzard-64512789]  42.35 158.5 90 top
kibuzzard-64512789#3  G***  [kibuzzard-64512789]  120.35 158.5 90 top
kibuzzard-64512789#4  G***  [kibuzzard-64512789]  120.35 80.5 90 top
kibuzzard-64512795  G***  [kibuzzard-64512795]  122.89 158.5 90 top
kibuzzard-64512795#2  G***  [kibuzzard-64512795]  44.89 80.5 90 top
kibuzzard-64512795#3  G***  [kibuzzard-64512795]  44.89 158.5 90 top
kibuzzard-64512795#4  G***  [kibuzzard-64512795]  122.89 80.5 90 top
kibuzzard-64512953  G***  [kibuzzard-64512953]  5 110 90 top
kibuzzard-64512953#2  G***  [kibuzzard-64512953]  83 110 90 top
kibuzzard-64512953#3  G***  [kibuzzard-64512953]  83 32 90 top
kibuzzard-64512953#4  G***  [kibuzzard-64512953]  5 32 90 top
kibuzzard-64512975  G***  [kibuzzard-64512975]  6.5 32 90 top
kibuzzard-64512975#2  G***  [kibuzzard-64512975]  6.5 110 90 top
kibuzzard-64512975#3  G***  [kibuzzard-64512975]  84.5 110 90 top
kibuzzard-64512975#4  G***  [kibuzzard-64512975]  84.5 32 90 top
kibuzzard-64513203  G***  [kibuzzard-64513203]  12 33.5 90 top
kibuzzard-64513203#2  G***  [kibuzzard-64513203]  90 33.5 90 top
kibuzzard-64513203#3  G***  [kibuzzard-64513203]  12 111.5 90 top
kibuzzard-64513203#4  G***  [kibuzzard-64513203]  90 111.5 90 top
kibuzzard-64513277  G***  [kibuzzard-64513277]  124.6 69.7 90 top
kibuzzard-64513277#2  G***  [kibuzzard-64513277]  124.6 147.7 90 top
kibuzzard-64513277#3  G***  [kibuzzard-64513277]  46.6 147.7 90 top
kibuzzard-64513277#4  G***  [kibuzzard-64513277]  46.6 69.7 90 top
kibuzzard-64513453  G***  [kibuzzard-64513453]  93 97.5 0 top
kibuzzard-64513453#2  G***  [kibuzzard-64513453]  15 19.5 0 top
kibuzzard-64513453#3  G***  [kibuzzard-64513453]  15 97.5 0 top
kibuzzard-64513453#4  G***  [kibuzzard-64513453]  93 19.5 0 top
kibuzzard-64513617  G***  [kibuzzard-64513617]  65.5 25.5 90 top
kibuzzard-64513617#2  G***  [kibuzzard-64513617]  143.5 103.5 90 top
kibuzzard-64513617#3  G***  [kibuzzard-64513617]  143.5 25.5 90 top
kibuzzard-64513617#4  G***  [kibuzzard-64513617]  65.5 103.5 90 top
kibuzzard-64513621  G***  [kibuzzard-64513621]  143.5 98.25 90 top
kibuzzard-64513621#2  G***  [kibuzzard-64513621]  65.5 20.25 90 top
kibuzzard-64513621#3  G***  [kibuzzard-64513621]  65.5 98.25 90 top
kibuzzard-64513621#4  G***  [kibuzzard-64513621]  143.5 20.25 90 top
kibuzzard-64513721  G***  [kibuzzard-64513721]  67 32 90 top
kibuzzard-64513721#2  G***  [kibuzzard-64513721]  145 110 90 top
kibuzzard-64513721#3  G***  [kibuzzard-64513721]  67 110 90 top
kibuzzard-64513721#4  G***  [kibuzzard-64513721]  145 32 90 top
L1  LQH44PN4R7MP0L  [1515L]  48.5 35.4 0 bottom
L1#2  LQH44PN4R7MP0L  [1515L]  126.5 35.4 0 bottom
L1#3  LQH44PN4R7MP0L  [1515L]  126.5 113.4 0 bottom
L1#4  LQH44PN4R7MP0L  [1515L]  48.5 113.4 0 bottom
L2  NR4012T2R2M  [NR4012]  130.6 123.2 0 bottom
L2#2  NR4012T2R2M  [NR4012]  52.6 123.2 0 bottom
L2#3  NR4012T2R2M  [NR4012]  52.6 45.2 0 bottom
L2#4  NR4012T2R2M  [NR4012]  130.6 45.2 0 bottom
L3  NR4012T220M  [NR4012]  46.6 14.8 270 bottom
L3#2  NR4012T220M  [NR4012]  46.6 92.8 270 bottom
L3#3  NR4012T220M  [NR4012]  124.6 92.8 270 bottom
L3#4  NR4012T220M  [NR4012]  124.6 14.8 270 bottom
PAD1  -  [PAD_4x4]  119.4 45.5 0 top
PAD1#2  -  [PAD_4x4]  119.4 123.5 0 top
PAD1#3  -  [PAD_4x4]  41.4 45.5 0 top
PAD1#4  -  [PAD_4x4]  41.4 123.5 0 top
PAD2  -  [PAD_4x4]  105.8 45.5 0 top
PAD2#2  -  [PAD_4x4]  105.8 123.5 0 top
PAD2#3  -  [PAD_4x4]  27.8 45.5 0 top
PAD2#4  -  [PAD_4x4]  27.8 123.5 0 top
PAD3  -  [PAD_4x4]  147 103.5 270 top
PAD3#2  -  [PAD_4x4]  69 25.5 270 top
PAD3#3  -  [PAD_4x4]  69 103.5 270 top
PAD3#4  -  [PAD_4x4]  147 25.5 270 top
PAD4  -  [PAD_4x4]  69 98.25 270 top
PAD4#2  -  [PAD_4x4]  69 20.25 270 top
PAD4#3  -  [PAD_4x4]  147 20.25 270 top
PAD4#4  -  [PAD_4x4]  147 98.25 270 top
PAD5  -  [PAD_4x4]  69 93 270 top
PAD5#2  -  [PAD_4x4]  147 93 270 top
PAD5#3  -  [PAD_4x4]  69 15 270 top
PAD5#4  -  [PAD_4x4]  147 15 270 top
Q1  DNP  [SOT-23-3]  27 95.9 90 bottom
Q1#2  DNP  [SOT-23-3]  105 95.9 90 bottom
Q1#3  DNP  [SOT-23-3]  27 17.9 90 bottom
Q1#4  DNP  [SOT-23-3]  105 17.9 90 bottom
Q2  NPN  [SOT-23-3]  102.3 13.8 0 bottom
Q2#2  NPN  [SOT-23-3]  102.3 91.8 0 bottom
Q2#3  NPN  [SOT-23-3]  24.3 91.8 0 bottom
Q2#4  NPN  [SOT-23-3]  24.3 13.8 0 bottom
Q3  NPN  [SOT-23-3]  30.8 13.8 180 bottom
Q3#2  NPN  [SOT-23-3]  108.8 13.8 180 bottom
Q3#3  NPN  [SOT-23-3]  30.8 91.8 180 bottom
Q3#4  NPN  [SOT-23-3]  108.8 91.8 180 bottom
Q4  PMOS  [SOT-23-3]  9.1 39.3 0 bottom
Q4#2  PMOS  [SOT-23-3]  87.1 39.3 0 bottom
Q4#3  PMOS  [SOT-23-3]  9.1 117.3 0 bottom
Q4#4  PMOS  [SOT-23-3]  87.1 117.3 0 bottom
Q5  NPN  [SOT-23-3]  7.6 107.1 270 bottom
Q5#2  NPN  [SOT-23-3]  85.6 29.1 270 bottom
Q5#3  NPN  [SOT-23-3]  7.6 29.1 270 bottom
Q5#4  NPN  [SOT-23-3]  85.6 107.1 270 bottom
Q6  SSM3J358R,LF  [SOT-23-3]  17.6 24.8 90 top
Q6#2  SSM3J358R,LF  [SOT-23-3]  95.6 24.8 90 top
Q6#3  SSM3J358R,LF  [SOT-23-3]  95.6 102.8 90 top
Q6#4  SSM3J358R,LF  [SOT-23-3]  17.6 102.8 90 top
Q7  SSM3J358R,LF  [SOT-23-3]  13 105.2 270 top
Q7#2  SSM3J358R,LF  [SOT-23-3]  91 27.2 270 top
Q7#3  SSM3J358R,LF  [SOT-23-3]  13 27.2 270 top
Q7#4  SSM3J358R,LF  [SOT-23-3]  91 105.2 270 top
Q8  PMOS  [SOT-23-3]  25.1 55.1 90 top
Q8#2  PMOS  [SOT-23-3]  25.1 133.1 90 top
Q8#3  PMOS  [SOT-23-3]  103.1 55.1 90 top
